# Altium PCB PCB1.PcbDoc
Units mil, origin at the board's own origin, x right, y up, seen from the top; angles counter-clockwise.
Board outline 2244.09 x 1732.28 mil, 2 copper layers (Top Layer, Bottom Layer), stack 61.855 mil thick; 44 components, 99 nets, 307 pads, 0 vias.
Unrouted connection lines stored in the file: 197.
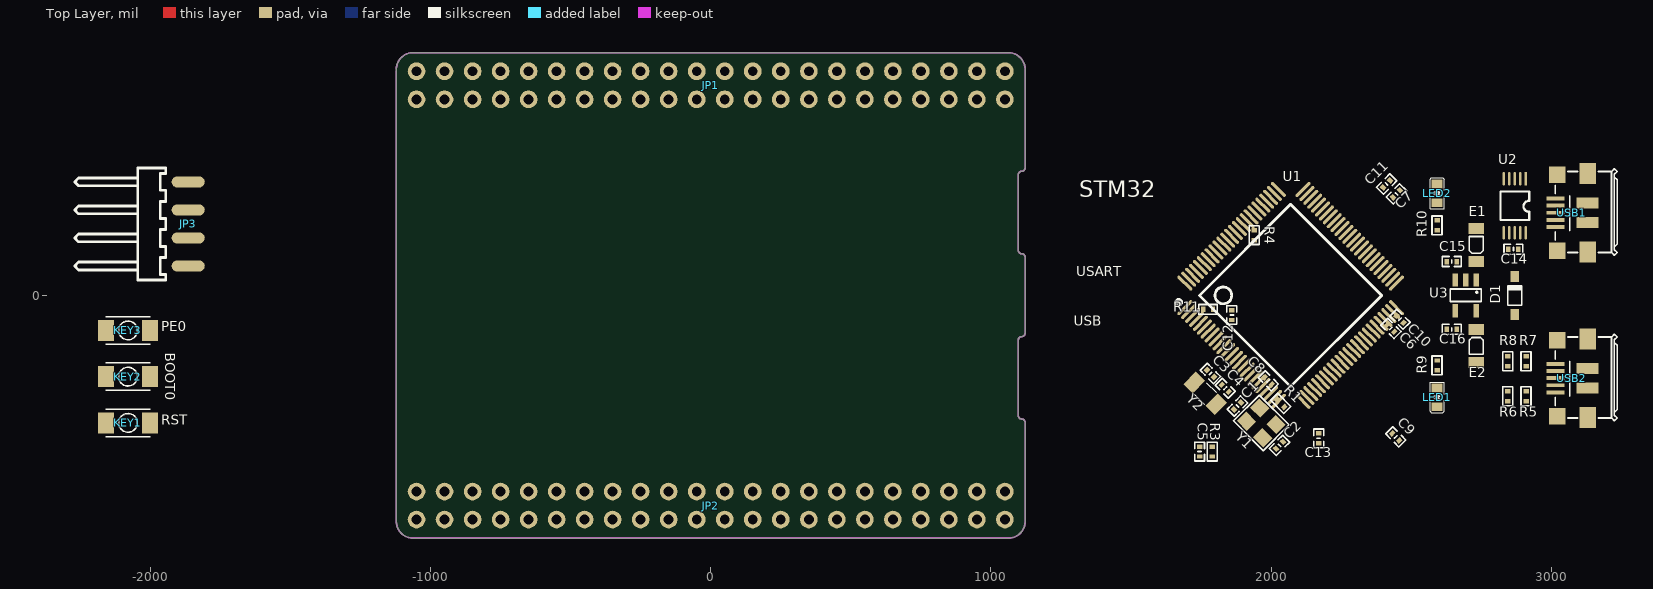
[diagram p0: Top Layer view]
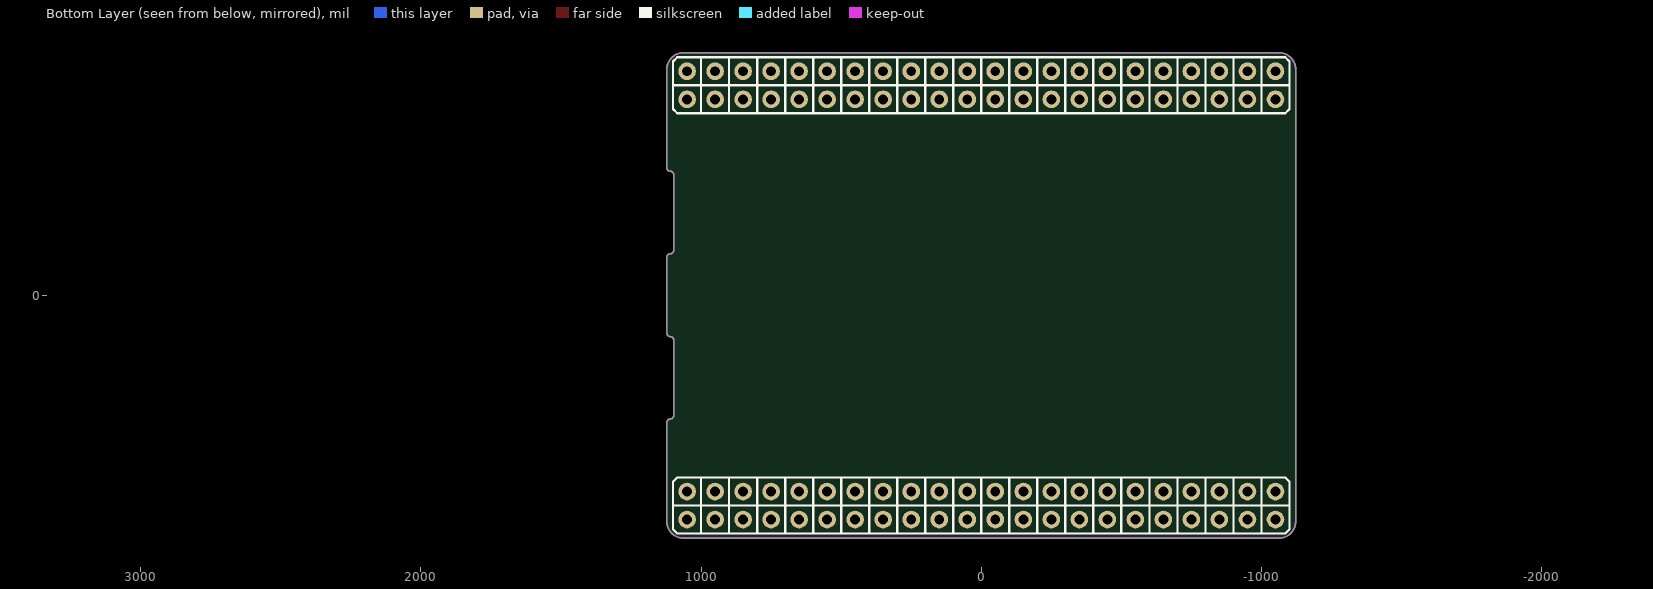
[diagram p1: Bottom Layer view, seen from below]

## Layer stack, top to bottom
Top Solder: solder mask 0.4, Solder Resist, Dk 3.5
Top Layer: signal copper 1.4
Dielectric 1: dielectric 59.0551, FR-4, Dk 4.8
Bottom Layer: signal copper 1.4
Bottom Solder: solder mask 0.4, Solder Resist, Dk 3.5

## Board outline
-1122.05,-807.09 ccw(c-1062.99,-807.09) -1062.99,-866.14 1062.99,-866.14 ccw(c1062.99,-807.09) 1122.05,-807.09 1122.05,-453.16 ccw(c1110.05,-453.16) 1110.05,-441.16 cw(c1110.05,-429.16) 1098.05,-429.16 1098.05,-159 cw(c1110.05,-159) 1110.05,-147 ccw(c1110.05,-135) 1122.05,-135 1122.05,136.84 ccw(c1110.05,136.84) 1110.05,148.84 cw(c1110.05,160.84) 1098.05,160.84 1098.05,431 cw(c1110.05,431) 1110.05,443 ccw(c1110.05,455) 1122.05,455 1122.05,807.09 ccw(c1062.99,807.09) 1062.99,866.14 -1062.99,866.14 ccw(c-1062.99,807.09) -1122.05,807.09

## Design rules (kind name [scope] priority, off if disabled: settings)
Clearance polygon [InPolygon vs OnLayer('Keep-Out Layer')] p1: gap=10 ignorepadtopadclearanceinfootprint=FALSE except(0: Arc-Hole Track-Hole SMDPad-Hole THPad-Hole Via-Hole Fill-Hole Poly-Hole Region-Hole Text-Hole)
Clearance Clearance_1 [All] p2: gap=7.5 ignorepadtopadclearanceinfootprint=FALSE except(0: Arc-Hole Track-Hole SMDPad-Hole THPad-Hole Via-Hole Fill-Hole Poly-Hole Region-Hole Text-Hole)
MinimumSolderMaskSliver [All] p1: minsoldermaskwidth=0
PolygonConnect [IsVia] p1: connectstyle=Direct reliefconductorwidth=10 reliefentries=4 polygonreliefangle="90 Angle" airgapwidth=10
PolygonConnect PolygonConnect_1 [All] p2: connectstyle=Relief reliefconductorwidth=10 reliefentries=4 polygonreliefangle="90 Angle" airgapwidth=10
RoutingVias [All] p1: holewidth=28 width=50 viastyle="Through Hole" minholewidth=12 minwidth=24 maxholewidth=28 maxwidth=50
SilkToSilkClearance [All] p1: silktosilkclearance=0
SilkToSolderMaskClearance [IsPad] p1: minsilkscreentomaskgap=0 clearancetoexposedcopper=TRUE
SolderMaskExpansion [All] p1: expansion=4 istentingtop=FALSE
Width [All] p1: maxlimit=30 minlimit=6 preferedwidth=10
27 further rules are at their usual default settings.

## Components (designator, comment, footprint, x,y, rotation, side; value= is the part's Value field where it differs from the comment)
C1 "20pF" "C 0402_L" 1880,-395 r225 top
C2 "20pF" "C 0402_L" 2030,-535 r45 top
C3 "10pF" "C 0402_L" 1783.55,-278.55 r135 top
C4 "10pF" "C 0402_L" 1836.45,-331.44 r315 top
C5 "0.1uF" "C 0402_L" 1745,-557.29 r270 top
C6 "2.2uF" "C 0402_L" 2427.48,-117.47 r135 top
C7 "2.2uF" "C 0402_L" 2447.53,362.53 r225 top
C8 "0.1uF" "C 0402_L" 1990,-305 r135 top
C9 "0.1uF" "C 0402_L" 2445,-505 r315 top
C10 "0.1uF" "C 0402_L" 2460,-85 r315 top
C11 "0.1uF" "C 0402_L" 2412.53,397.53 r45 top
C12 "0.1uF" "C 0402_L" 1860,-70 r270 top
C13 "0.1uF" "C 0402_L" 2170,-510 r90 top
C14 "0.1uF" "C 0402_L" 2865,165 r0 top
C15 "0.1uF" "C 0402_L" 2645,120.95 r0 top
C16 "0.1uF" "C 0402_L" 2645,-120.95 r0 top
D1 "1N4007" SOD-123 2870,0 r90 top
E1 "10uF" "CD A(3216)" 2732.4,180 r90 top
E2 "10uF" "CD A(3216)" 2732.4,-180 r270 top
JP1 "Header 2x22" HDR2.54-LI-2X22P 0,750 r180 top
JP2 "Header 2x22" HDR2.54-LI-2X22P 0,-750 r180 top
JP3 "SWD" HDR2.54-WS-4P -1865,255 r90 top
KEY1 "KEY" SWT3*4 -2080,-455 r180 top
KEY2 "KEY" SWT3*4 -2080,-290 r180 top
KEY3 "KEY" SWT3*4 -2080,-125 r180 top
LED1 "LED" "LED 0603" 2592.44,-364.17 r270 top
LED2 "LED" "LED 0603" 2592.44,364.17 r90 top
R1 "1M" "R 0402_L" 2034.6,-385.4 r315 top
R3 "10K" "R 0402_L" 1790,-557.29 r270 top
R4 "10K" "R 0402_L" 1940,215 r270 top
R5 "0R" "R 0402_L" 2910,-360 r90 top
R6 "0R" "R 0402_L" 2845,-360 r270 top
R7 "0R" "R 0402_L" 2910,-235 r90 top
R8 "0R" "R 0402_L" 2845,-235 r90 top
R9 "4.7K" "R 0402_L" 2592.44,-250 r270 top
R10 "4.7K" "R 0402_L" 2592.44,250 r90 top
R11 "10K" "R 0402_L" 1775,-50 r0 top
U1 "STM32F407VET6" "LQFP100 14X14_N" 2070,0 r315 top
U2 "CH340E" MSOP10_L 2870,320 r180 top
U3 "RT9013-33" SOT23-5N 2695,0 r180 top
USB1 "USB" USB-MICRO_E 3130.4,295.28 r90 top
USB2 "USB" USB-MICRO_E 3130.4,-295.28 r90 top
Y1 "8M" "OSC 3225-4P" 1965,-455 r315 top
Y2 "32.768KHz" FC135-3.2X1.5 1765,-350 r315 top

## Footprints (in the part's own frame and the unit in brackets; to place one, negate y for a bottom-side part, rotate by r counter-clockwise, add the part's x,y. Pads: shape width x height; smd on the part's side, far side on the other; paste and mask are expansions set on the pad)
"C 0402_L" [mm] "无极性贴片电容"
  rect 0.4x0.5 smd: 1(-0.45,0) 2(0.45,0)
  silkscreen extent -0.85,-0.45 0.85,0.45, body extent -0.5,-0.26 0.5,0.26, height 0.53
"CD A(3216)" [mm] "长3.2mm，宽1.6mm，厚1.6mm"
  rect 1x1.4 smd: 1(-1.5,0) 2(1.5,0)
  silkscreen extent -0.76,-0.64 0.76,0.64, body extent -1.6,-0.8 1.6,0.8, height 1.6
FC135-3.2X1.5 [mm] "晶振"
  rect 1.2x1.6 smd: 1(-1.4,0) 2(1.4,0)
  silkscreen extent -0.64,-0.76 0.64,0.76, body extent -1.61,-0.76 1.61,0.76, height 0.91
HDR2.54-LI-2X22P [mm] "双排排针，20x2脚"
  round 1.6 hole 0.9: 1(-26.67,-1.27) 2(-26.67,1.27) 3(-24.13,-1.27) 4(-24.13,1.27) 5(-21.59,-1.27) 6(-21.59,1.27) 7(-19.05,-1.27) 8(-19.05,1.27) 9(-16.51,-1.27) 10(-16.51,1.27) 11(-13.97,-1.27) 12(-13.97,1.27) 13(-11.43,-1.27) 14(-11.43,1.27) 15(-8.89,-1.27) 16(-8.89,1.27) 17(-6.35,-1.27) 18(-6.35,1.27) 19(-3.81,-1.27) 20(-3.81,1.27) 21(-1.27,-1.27) 22(-1.27,1.27) 23(1.27,-1.27) 24(1.27,1.27) 25(3.81,-1.27) 26(3.81,1.27) 27(6.35,-1.27) 28(6.35,1.27) 29(8.89,-1.27) 30(8.89,1.27) 31(11.43,-1.27) 32(11.43,1.27) 33(13.97,-1.27) 34(13.97,1.27) 35(16.51,-1.27) 36(16.51,1.27) 37(19.05,-1.27) 38(19.05,1.27) 39(21.59,-1.27) 40(21.59,1.27) 41(24.13,-1.27) 42(24.13,1.27) 43(26.67,-1.27) 44(26.67,1.27)
  body extent -27.94,-2.54 27.94,2.54, height 8.5
HDR2.54-WS-4P [mm] "4P卧式贴片排针2.54"
  oval 1x3 smd: 1(-3.81,0) 2(-1.27,0) 3(1.27,0) 4(3.81,0)
  silkscreen extent -5.08,2.03 5.08,10.29, body extent -5.08,-0.76 5.08,10.34, height 2.54
"LED 0603" [mm] "贴片带丝印"
  rect 0.8x1 smd: 1(-0.85,0) 2(0.85,0)
  silkscreen extent -1.4,-0.64 1.4,0.64, body extent -0.8,-0.4 0.8,0.4, height 0.61
"LQFP100 14X14_N" [mm] "100脚，体宽14x14mm，脚距0.5mm"
  oval 0.3x1.8 smd: 1(-6,-7.575) 2(-5.5,-7.575) 3(-5,-7.575) 4(-4.5,-7.575) 5(-4,-7.575) 6(-3.5,-7.575) 7(-3,-7.575) 8(-2.5,-7.575) 9(-2,-7.575) 10(-1.5,-7.575) 11(-1,-7.575) 12(-0.5,-7.575) 13(0,-7.575) 14(0.5,-7.575) 15(1,-7.575) 16(1.5,-7.575) 17(2,-7.575) 18(2.5,-7.575) 19(3,-7.575) 20(3.5,-7.575) 21(4,-7.575) 22(4.5,-7.575) 23(5,-7.575) 24(5.5,-7.575) 25(6,-7.575) 51(6,7.575) 52(5.5,7.575) 53(5,7.575) 54(4.5,7.575) 55(4,7.575) 56(3.5,7.575) 57(3,7.575) 58(2.5,7.575) 59(2,7.575) 60(1.5,7.575) 61(1,7.575) 62(0.5,7.575) 63(0,7.575) 64(-0.5,7.575) 65(-1,7.575) 66(-1.5,7.575) 67(-2,7.575) 68(-2.5,7.575) 69(-3,7.575) 70(-3.5,7.575) 71(-4,7.575) 72(-4.5,7.575) 73(-5,7.575) 74(-5.5,7.575) 75(-6,7.575)
  oval 1.8x0.3 smd: 26(7.576,-6) 27(7.576,-5.5) 28(7.576,-5) 29(7.576,-4.5) 30(7.576,-4) 31(7.576,-3.5) 32(7.576,-3) 33(7.576,-2.5) 34(7.576,-2) 35(7.576,-1.5) 36(7.576,-1) 37(7.576,-0.5) 38(7.576,0) 39(7.576,0.5) 40(7.576,1) 41(7.576,1.5) 42(7.576,2) 43(7.576,2.5) 44(7.576,3) 45(7.576,3.5) 46(7.576,4) 47(7.576,4.5) 48(7.576,5) 49(7.576,5.5) 50(7.576,6) 76(-7.575,6) 77(-7.575,5.5) 78(-7.575,5) 79(-7.575,4.5) 80(-7.575,4) 81(-7.575,3.5) 82(-7.575,3) 83(-7.575,2.5) 84(-7.575,2) 85(-7.575,1.5) 86(-7.575,1) 87(-7.575,0.5) 88(-7.575,0) 89(-7.575,-0.5) 90(-7.575,-1) 91(-7.575,-1.5) 92(-7.575,-2) 93(-7.575,-2.5) 94(-7.575,-3) 95(-7.575,-3.5) 96(-7.575,-4) 97(-7.575,-4.5) 98(-7.575,-5) 99(-7.575,-5.5) 100(-7.575,-6)
  silkscreen extent -6.92,-7.81 5.84,5.84, body extent -8,-8 8,8, height 1.45
MSOP10_L [mm] "塑封体长3mm，宽3mm，脚距0.5"
  rect 0.25x1.2 smd: 1(-1,-2.45)
  oval 0.25x1.2 smd: 2(-0.5,-2.45) 3(0,-2.45) 4(0.5,-2.45) 5(1,-2.45) 6(1,2.45) 7(0.5,2.45) 8(0,2.45) 9(-0.5,2.45) 10(-1,2.45)
  silkscreen extent -1.3,-1.3 1.3,1.3, body extent -1.5,-2.45 1.5,2.45, height 0.95
"OSC 3225-4P" [mm] "3.2*2.5*0.7mm(长宽高)"
  rect 1.3x1.2 smd: 1(-1.05,-0.85) 2(1.05,-0.85) 3(1.05,0.85) 4(-1.05,0.85)
  silkscreen extent -1.9,-1.65 1.9,1.65, body extent -1.6,-1.25 1.6,1.25, height 0.7
"R 0402_L" [mm] "1/16W贴片电阻"
  rect 0.4x0.5 smd: 1(-0.45,0) 2(0.45,0)
  silkscreen extent -0.85,-0.45 0.85,0.45, body extent -0.5,-0.25 0.5,0.25, height 0.3
SOD-123 [mm] "2.7x1.6X1.1mm（长宽高，不包括引脚）"
  rect 1x0.8 smd: 1(-1.714,0) 2(1.714,0)
  silkscreen extent -0.89,-0.64 0.89,0.64, body extent -1.85,-0.8 1.85,0.8, height 1.22
SOT23-5N [mm] "3x1.6x1.1mm(长宽高)"
  rect 0.5x1.2 smd: 1(-0.95,-1.4) 2(0,-1.4) 3(0.95,-1.4) 4(0.95,1.4) 5(-0.95,1.4)
  silkscreen extent -1.4,-0.58 1.4,0.56, body extent -1.45,-1.4 1.45,1.4, height 1.2
SWT3*4 [mm]
  rect 1.48x1.9 smd: 1(-2,0) 2(2,0)
  silkscreen extent -2,-1.25 2,1.25, body extent -2.45,-1.45 2.45,1.45, height 2
USB-MICRO_E [mm] "micro型USB ，5.9*8.2*2.5mm"
  round 0 hole 0.54 unplated: 0(-2,2.294) 0(2,2.294)
  rect 0.35x1.6 smd: 1(-1.295,2.921) 2(-0.648,2.921) 3(0,2.921) 4(0.648,2.921) 5(1.295,2.921)
  rect 1.9x1.5 smd: 5(-3.556,0) 5(3.556,0)
  rect 1.5x1.5 smd: 5(-3.454,2.754) 5(3.454,2.754)
  rect 1x2 smd: 5(-0.889,0.01) 5(0.889,0.01)
  silkscreen extent -3.86,-2.67 3.99,2.96, body extent -4,-2.72 4,3.36, height 2.8

## Part data
C1 C2 C3 C4 C5 C6 C7 C8 C9 C10 C11 C12 C13 C14 C15 C16: library part Cap
D1: "整流二极管"
E1 E2: library part C-CD, "贴片钽电容"
JP1 JP2: "2x22P接插件"
JP3: library part "Header 1*4"
R1 R3 R4 R5 R6 R7 R8 R9 R10 R11: library part Res
Y1: library part XTAL-4P, "4脚无源晶振"
Y2: library part XTAL-2P

## Nets (pads, with @x,y where several pads share a name; then routed paths per layer and width w, separated by ;. In a path a pad name is that pad's centre, name@x,y a point inside that pad or via, vN(x,y) a via of type N, cw(c..) or ccw(c..) an arc to the next point about the centre after c; other vN are vias at no path point)
3V3: C8.1 C9.1 C10.1 C11.1 C12.1 C14.2 C16.2 E2.1 JP1.4 JP2.3 JP3.1 KEY2.2 KEY3.2 R3.1 R5.2 R9.1 R10.1 U1.11 U1.19 U1.28 U1.50 U1.75 U1.100 U2.7 U2.10 U3.5
5V: C15.2 D1.2 E1.1 JP1.2 JP2.1 U3.1 U3.3
BOOT0: KEY2.1 R4.2 U1.94
GND: C1.1 C2.1 C3.1 C4.1 C5.1 C6.1 C7.1 C8.2 C9.2 C10.2 C11.2 C12.2 C13.1 C14.1 C15.1 C16.1 E1.2 E2.2 JP1.1 JP1.3 JP2.2 JP3.2 KEY1.2 LED1.2 R4.1 R11.1 U1.10 U1.20 U1.27 U1.74 U1.99 U2.3 U3.2 USB1.5 USB2.5 Y1.2 Y1.4
NetLED1_1: LED1.1 R9.2
NetLED2_1: LED2.1 R10.2
NetR7_1: R7.1 USB2.3
NetR8_1: R8.1 USB2.2
NetU2_1: U2.1 USB1.3
NetU2_2: U2.2 USB1.2
NRST: C5.2 KEY1.1 R3.2 U1.14
PA0: JP2.31 U1.23
PA1: JP2.32 U1.24
PA2: JP2.29 U1.25
PA3: JP2.30 U1.26
PA4: JP2.27 U1.29
PA5: JP2.28 U1.30
PA6: JP2.25 U1.31
PA7: JP2.26 U1.32
PA8: JP1.20 U1.67
PA9: JP1.19 U1.68 U2.9
PA10: JP1.22 U1.69 U2.8
PA11: JP1.21 R8.2 U1.70
PA12: JP1.24 R7.2 U1.71
PA13: JP1.23 JP3.3 U1.72
PA14: JP1.26 JP3.4 U1.76
PA15: JP1.25 U1.77
PB0: JP2.22 U1.35
PB1: JP2.21 U1.36
PB2: JP2.20 U1.37
PB3: JP1.38 U1.89
PB4: JP1.39 U1.90
PB5: JP1.40 U1.91
PB6: JP1.41 U1.92
PB7: JP1.42 U1.93
PB8: JP1.43 U1.95
PB9: JP1.44 U1.96
PB10: JP2.10 U1.47
PB11: JP2.9 U1.48
PB12: JP2.8 U1.51
PB13: JP2.7 U1.52
PB14: JP2.6 U1.53
PB15: JP1.5 LED2.2 U1.54
PC0: JP2.35 U1.15
PC1: JP2.36 U1.16
PC2: JP2.33 U1.17
PC3: JP2.34 U1.18
PC4: JP2.23 U1.33
PC5: JP2.24 U1.34
PC6: JP1.16 U1.63
PC7: JP1.15 U1.64
PC8: JP1.18 U1.65
PC9: JP1.17 U1.66
PC10: JP1.27 U1.78
PC11: JP1.28 U1.79
PC12: JP1.29 U1.80
PC13: JP2.38 U1.7
PC14: C3.2 U1.8 Y2.1
PC15: C4.2 U1.9 Y2.2
PD0: JP1.30 U1.81
PD1: JP1.31 U1.82
PD2: JP1.32 U1.83
PD3: JP1.33 U1.84
PD4: JP1.34 U1.85
PD5: JP1.35 U1.86
PD6: JP1.36 U1.87
PD7: JP1.37 U1.88
PD8: JP1.8 U1.55
PD9: JP1.7 U1.56
PD10: JP1.10 U1.57
PD11: JP1.9 U1.58
PD12: JP1.12 U1.59
PD13: JP1.11 U1.60
PD14: JP1.14 U1.61
PD15: JP1.13 U1.62
PE0: JP2.43 KEY3.1 R11.2 U1.97
PE1: JP2.44 U1.98
PE2: JP2.41 U1.1
PE3: JP2.42 U1.2
PE4: JP2.39 U1.3
PE5: JP2.40 U1.4
PE6: JP2.37 U1.5
PE7: JP2.19 U1.38
PE8: JP2.18 U1.39
PE9: JP2.17 U1.40
PE10: JP2.16 U1.41
PE11: JP2.15 U1.42
PE12: JP2.14 U1.43
PE13: JP2.13 U1.44
PE14: JP2.12 U1.45
PE15: JP2.11 U1.46
PH0: C1.2 R1.1 U1.12 Y1.1
PH1: C2.2 R1.2 U1.13 Y1.3
VBAT: JP1.6 U1.6
VCAP_1: C6.2 U1.49
VCAP_2: C7.2 U1.73
VCC: D1.1 USB1.1 USB2.1
VDDA: C13.2 JP2.4 R5.1 R6.1 U1.22
VREF+: JP2.5 R6.2 U1.21
pads on no net: U2.4 U2.5 U2.6 U3.4 USB1.0 USB1.4 USB2.0 USB2.4

## Keep-outs
Keep-Out Layer:
  lines w6: -1122.05,-812.09 -1122.05,802.09 ; -1122.05,-807.09 ccw(c-1062.99,-807.09) -1062.99,-866.14 1062.99,-866.14 ccw(c1062.99,-807.09) 1122.05,-807.09 1122.05,-453.16 ccw(c1110.05,-453.16) 1110.05,-441.16 cw(c1110.05,-429.16) 1098.05,-429.16 1098.05,-159 cw(c1110.05,-159) 1110.05,-147 ccw(c1110.05,-135) 1122.05,-135 1122.05,136.84 ccw(c1110.05,136.84) 1110.05,148.84 cw(c1110.05,160.84) 1098.05,160.84 1098.05,431 cw(c1110.05,431) 1110.05,443 ccw(c1110.05,455) 1122.05,455 1122.05,807.09 ccw(c1062.99,807.09) 1062.99,866.14 -1062.99,866.14 ccw(c-1062.99,807.09) -1122.05,807.09

## Silkscreen, mask and mechanical layers (free items; w line width, h text height)
Top Overlay:
  text "STM32" at 1315,330 h100
  text "USART" at 1305,55 h60
  text "USB" at 1295,-120 h60
  text "PE0" at -1960.67,-140 h60
  text "BOOT0" at -1960,-205 h60 r270
  text "RST" at -1960.67,-475 h60